# KiCad board breakout-sky-qfn.kicad_pcb
title: QFN Breakout For TinyTapeout Skywater ASICs; date: 2025-10-04; rev: 3.2; company: Psychogenic Technologies INC; note: (C) 2025 Pat Deegan
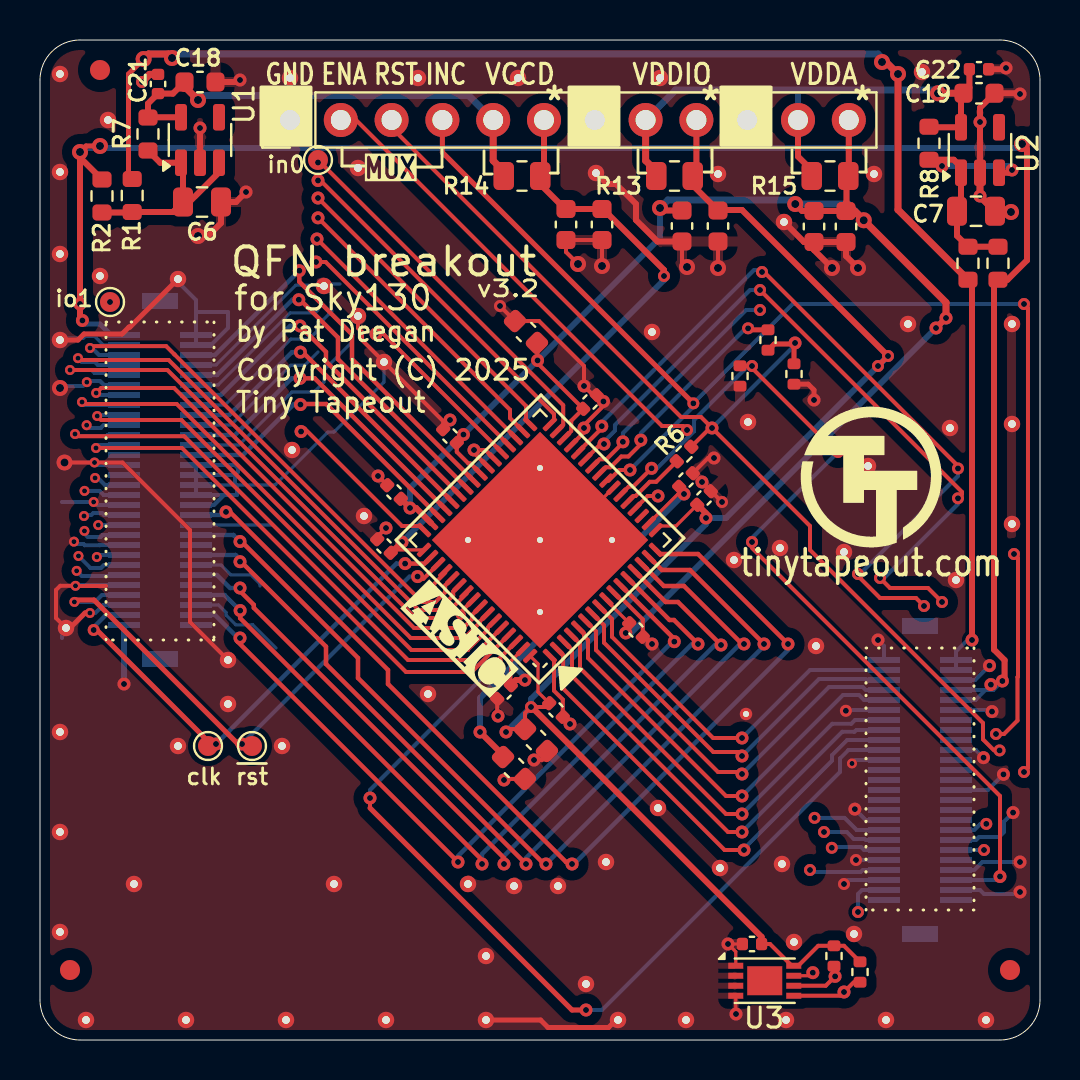
[diagram p0: board, top side]
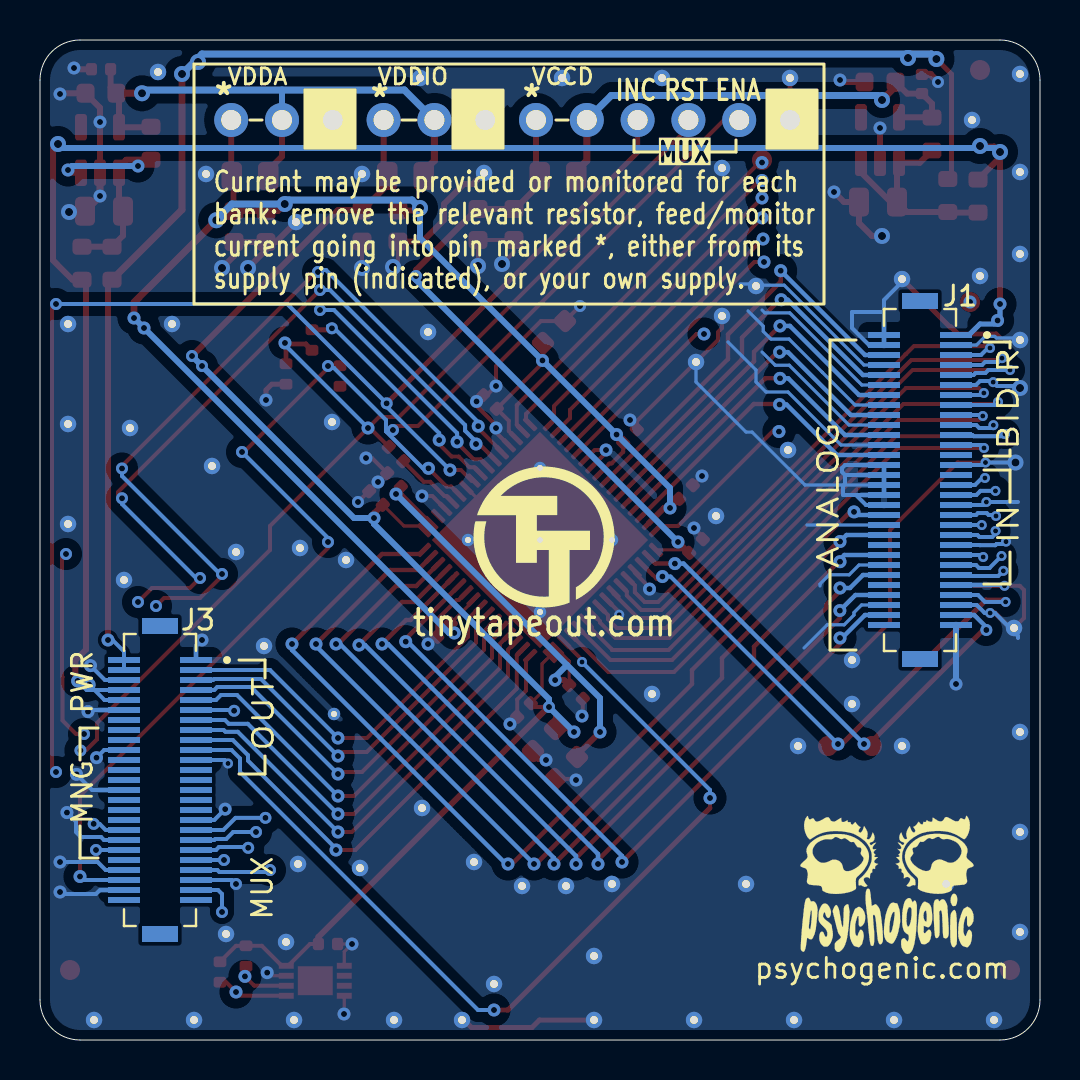
[diagram p1: board, bottom side, seen from below]

Outline 50 x 50 mm; copper layers: Top, In1.Cu (plane), In2.Cu, Bottom. Coordinates in mm from the lower left corner of the outline.
Outline path: 0,48 arc(0.59,49.41) 2,50 48,50 arc(49.41,49.41) 50,48 50,2 arc(49.41,0.59) 48,0 2,0 arc(0.59,0.59) 0,2 0,48
Stack: Top 0.035mm / dielectric 0.1855mm FR4-7628 er 4.74 / In1.Cu 0.035mm / dielectric 1.03mm FR4 er 4.6 / In2.Cu 0.035mm / dielectric 0.1855mm FR4-7628 er 4.74 / Bottom 0.035mm

## Placement (name value [footprint] x y rotation side)
ASCGND01  -  [StitchingVia-0.3mm]  25 28.6 0 top
ASCGND01#2  -  [StitchingVia-0.3mm]  25 25 0 top
ASCGND01#3  -  [StitchingVia-0.3mm]  25 21.4 0 top
ASCGND01#4  -  [StitchingVia-0.3mm]  21.4 25 0 top
ASCGND01#5  -  [StitchingVia-0.3mm]  28.6 25 0 top
C1  1uF  [C_0603_1608Metric]  28.1 40.78 270 top
C2  1uF  [C_0603_1608Metric]  24.8 15 315 top
C3  1uF  [C_0603_1608Metric]  26.3 40.78 270 top
C4  1uF  [C_0603_1608Metric]  33.9 40.7 270 top
C5  1uF  [C_0603_1608Metric]  23.7 13.6 315 top
C6  10uF  [C_0805_2012Metric]  8.1 41.9 0 top
C7  10uF  [C_0805_2012Metric]  46.8 41.44 0 top
C8  1uF  [C_0603_1608Metric]  24.3 35.4 135 top
C9  100nF  [C_0402_1005Metric]  27.5 31.9 225 top
C10  1uF  [C_0603_1608Metric]  32.1 40.7 270 top
C11  100nF  [C_0402_1005Metric]  17.7 27.4 315 top
C12  1uF  [C_0603_1608Metric]  40.3 40.68 270 top
C13  100nF  [C_0402_1005Metric]  20.5 30.2 315 top
C14  1uF  [C_0603_1608Metric]  38.7 40.68 270 top
C15  100nF  [C_0402_1005Metric]  29.8 20.5 315 top
C16  100nF  [C_0402_1005Metric]  33.2 27.1 45 top
C17  100nF  [C_0402_1005Metric]  25.8 16.5 135 top
C18  1uF  [C_0603_1608Metric]  8 47.9 0 top
C19  1uF  [C_0603_1608Metric]  46.95 47.34 0 top
C20  100nF  [C_0402_1005Metric]  32.3 28 225 top
C21  100nF  [C_0402_1005Metric]  5.9 47.8 90 top
C22  100nF  [C_0402_1005Metric]  46.95 48.54 0 top
C23  100nF  [C_0402_1005Metric]  17.2 24.7 135 top
C24  100nF  [C_0402_1005Metric]  23.2 17.4 45 top
C25  100nF  [C_0402_1005Metric]  35.6 4.8 0 top
FID1  Fiducial  [Fiducial_1mm_Mask2mm]  1.5 3.5 0 top  (not fitted)
FID2  Fiducial  [Fiducial_1mm_Mask2mm]  48.5 3.5 0 top  (not fitted)
FID3  Fiducial  [Fiducial_1mm_Mask2mm]  3 48.5 0 top  (not fitted)
J1  DF12NB-60DS-0.5V_51  [HRS_DF12NB-60DS-0.5V_51]  6 28 90 bottom
J2  Conn_01x12  [PinHeader_1x12_P2.54mm_Vertical]  12.5 46 90 top  (not fitted)
J3  DF12NB-50DS-0.5V_51  [HRS_DF12NB-50DS-0.5V_51]  44 13 90 bottom
PSYLOGOB  PSYLOGO  [PsychoLogoSmall]  7.7 7.8 180 bottom
R1  0  [R_0603_1608Metric]  4.61 42.23 270 top  (not fitted)
R2  0  [R_0603_1608Metric]  3.1 42.2 270 top
R3  0  [R_0603_1608Metric]  46.4 38.84 90 top  (not fitted)
R4  0  [R_0603_1608Metric]  47.9 38.84 90 top
R5  0R  [R_0402_1005Metric]  36.4 35 90 top
R6  0R  [R_0402_1005Metric]  32.2 29.3 225 top  (not fitted)
R7  0  [R_0603_1608Metric]  5.4 45.3 90 top  (not fitted)
R8  0  [R_0603_1608Metric]  44.45 44.84 90 top
R9  1k  [R_0402_1005Metric]  35 33.2 270 top
R10  1k  [R_0402_1005Metric]  37.7 33.3 270 top
R11  2k  [R_0402_1005Metric]  41 3.4 270 top  (not fitted)
R12  2k  [R_0402_1005Metric]  39.7 4.2 270 top  (not fitted)
R13  0  [R_0805_2012Metric]  31.73 43.2 0 top
R14  0  [R_0805_2012Metric]  24.1 43.2 0 top
R15  0  [R_0805_2012Metric]  39.5 43.2 0 top
STICHM01  -  [StitchingVia-0.3mm]  35.3 16.3 0 top
STITCH01  -  [StitchingVia-0.4mmDrill]  41.7 43.3 0 top
STITCH01#2  -  [StitchingVia-0.4mmDrill]  6.9 14.7 0 top
STITCH01#3  -  [StitchingVia-0.4mmDrill]  28.3 8.9 0 top
STITCH01#4  -  [StitchingVia-0.4mmDrill]  37.7 4.9 0 top
STITCH01#5  -  [StitchingVia-0.4mmDrill]  23.9 48.1 0 top
STITCH01#6  -  [StitchingVia-0.4mmDrill]  25.9 7.7 0 top
STITCH01#7  -  [StitchingVia-0.4mmDrill]  1 43.4 0 top
STITCH01#8  -  [StitchingVia-0.4mmDrill]  17.2 33.9 0 top
STITCH01#9  -  [StitchingVia-0.4mmDrill]  15.9 36.2 0 top
STITCH01#10  -  [StitchingVia-0.4mmDrill]  22.3 4.2 0 top
STITCH01#11  -  [StitchingVia-0.4mmDrill]  37.2 40.9 0 top
STITCH01#12  -  [StitchingVia-0.4mmDrill]  37 24.6 0 top
STITCH01#13  -  [StitchingVia-0.4mmDrill]  31 48.1 0 top
STITCH01#14  -  [StitchingVia-0.4mmDrill]  14.2 37.7 0 top
STITCH01#15  -  [StitchingVia-0.4mmDrill]  18.9 48.1 0 top
STITCH01#16  -  [StitchingVia-0.4mmDrill]  37.1 8.8 0 top
STITCH01#17  -  [StitchingVia-0.4mmDrill]  12.5 48.1 0 top
STITCH01#18  -  [StitchingVia-0.4mmDrill]  35.4 30.9 0 top
STITCH01#19  -  [StitchingVia-0.4mmDrill]  1 39.3 0 top
STITCH01#20  -  [StitchingVia-0.4mmDrill]  27.3 2.8 0 top
STITCH01#21  -  [StitchingVia-0.4mmDrill]  9.4 16.8 0 top
STITCH01#22  -  [StitchingVia-0.4mmDrill]  45.5 30.6 0 top
STITCH01#23  -  [StitchingVia-0.4mmDrill]  2.3 1 0 top
STITCH01#24  -  [StitchingVia-0.4mmDrill]  27.8 43.35 0 top
STITCH01#25  -  [StitchingVia-0.4mmDrill]  33.9 43.3 0 top
STITCH01#26  -  [StitchingVia-0.4mmDrill]  21.4 7.8 0 top
STITCH01#27  -  [StitchingVia-0.4mmDrill]  30.6 35.4 0 top
STITCH01#28  -  [StitchingVia-0.4mmDrill]  1 5.4 0 top
STITCH01#29  -  [StitchingVia-0.4mmDrill]  30.9 11.6 0 top
STITCH01#30  -  [StitchingVia-0.4mmDrill]  38.8 19.7 0 top
STITCH01#31  -  [StitchingVia-0.4mmDrill]  19.4 17.3 0 top
STITCH01#32  -  [StitchingVia-0.4mmDrill]  45.8 23 0 top
STITCH01#33  -  [StitchingVia-0.4mmDrill]  34 8.6 0 top
STITCH01#34  -  [StitchingVia-0.4mmDrill]  40.7 5.3 0 top
STITCH01#35  -  [StitchingVia-0.4mmDrill]  1 48.3 0 top
STITCH01#36  -  [StitchingVia-0.4mmDrill]  43.4 35.8 0 top
STITCH01#37  -  [StitchingVia-0.4mmDrill]  16.2 26.2 0 top
STITCH01#38  -  [StitchingVia-0.4mmDrill]  40.2 24.4 0 top
STITCH01#39  -  [StitchingVia-0.4mmDrill]  12.1 14.7 0 top
STITCH01#40  -  [StitchingVia-0.4mmDrill]  44.1 48.4 0 top
STITCH01#41  -  [StitchingVia-0.4mmDrill]  9.4 19 0 top
STITCH01#42  -  [StitchingVia-0.4mmDrill]  41.4 28.7 0 top
STITCH01#43  -  [StitchingVia-0.4mmDrill]  23.7 7.7 0 top
STITCH01#44  -  [StitchingVia-0.4mmDrill]  1.3 20.6 0 top
STITCH01#45  -  [StitchingVia-0.4mmDrill]  34.7 24 0 top
STITCH01#46  -  [StitchingVia-0.4mmDrill]  12.6 29.5 0 top
STITCH01#47  -  [StitchingVia-0.4mmDrill]  15.9 43.6 0 top
STITCH01#48  -  [StitchingVia-0.4mmDrill]  1 35 0 top
STITCH2  -  [StitchingVia-0.4mmDrill]  7.3 1 0 top
STITCH3  -  [StitchingVia-0.4mmDrill]  12.3 1 0 top
STITCH4  -  [StitchingVia-0.4mmDrill]  17.3 1 0 top
STITCH5  -  [StitchingVia-0.4mmDrill]  22.3 1 0 top
STITCH6  -  [StitchingVia-0.4mmDrill]  28.9 1 0 top
STITCH7  -  [StitchingVia-0.4mmDrill]  32.3 1 0 top
STITCH8  -  [StitchingVia-0.4mmDrill]  37.3 1 0 top
STITCH9  -  [StitchingVia-0.4mmDrill]  42.3 1 0 top
STITCH10  -  [StitchingVia-0.4mmDrill]  47.3 1 0 top
STITCH11  -  [StitchingVia-0.4mmDrill]  1 10.4 0 top
STITCH12  -  [StitchingVia-0.4mmDrill]  1 15.4 0 top
STITCH13  -  [StitchingVia-0.4mmDrill]  48.6 35.8 0 top
STITCH14  -  [StitchingVia-0.4mmDrill]  48.6 30.8 0 top
STITCH15  -  [StitchingVia-0.4mmDrill]  48.6 25.8 0 top
STITCH16  -  [StitchingVia-0.4mmDrill]  14.7 7.8 0 top
STITCH16#2  -  [StitchingVia-0.4mmDrill]  4.7 7.8 0 top
STITCH16#3  -  [StitchingVia-0.4mmDrill]  6.9 38.05 0 top
STITCH16#4  -  [StitchingVia-0.4mmDrill]  3.4 46 0 top
STITCH16#5  -  [StitchingVia-0.4mmDrill]  3 38.2 0 top
TP1  TestPoint  [TestPoint_Pad_D1.0mm]  10.6 14.7 0 top
TP2  TestPoint  [TestPoint_Pad_D1.0mm]  8.4 14.7 0 top
TP3  TestPoint  [TestPoint_Pad_D1.0mm]  3.5 36.9 0 top
TP4  TestPoint  [TestPoint_Pad_D1.0mm]  13.9 44 0 top
TTLOGO1  -  [TT_logo]  41.6 28.1 0 top
TTLOGO1#2  -  [TT_logo]  24.76 25.1 180 bottom
U1  AP2112K-1.8  [SOT-23-5]  8 45 90 top
U2  AP2112K-1.8  [SOT-23-5]  47 44.5 90 top  (not fitted)
U3  24LC02  [DFN-8-1EP_3x2mm_P0.5mm_EP1.75x1.45mm]  36.24 2.96 0 top  (not fitted)
U4  Openframe_QFN_TT06_REV2  [QFN-64-1EP_9x9mm_P0.5mm_EP7.65x7.65mm]  25 25 135 top

## Library data of the parts
C1-C5 C8 C10 C12 C14 = -: Description: Unpolarized capacitor; MPN: GRT188R61H105KE13D; DigikeyPN: 490-12330-1-ND; Display Value: 1u; Characteristics: 1u 10V XR 0603; LCSC: C5673; ki_fp_filters: C_*
C6 C7 = -: LCSC: C408142; MPN: GRM21BR71C106KE51L; MPN_ALT: LMK212AB7106MG-T; Characteristics: 10u 10V XR 0805; ki_fp_filters: C_*
C9 C11 C13 C15-C17 C20 C23-C25 = -: MPN: CL05A104KA5NNNC; MPN_ALT: GRM155R71E104KE14J; Characteristics: 100n 10% 25V XR 0402; LCSC: C100072; ki_fp_filters: C_*
C18 C19 = -: MPN: GRT188R61H105KE13D; MPN_ALT: C0603C105K4RAC7411; Characteristics: 1u 10V XR 0603; LCSC: C5673; ki_fp_filters: C_*
C21 C22 = -: LCSC: C100072; MPN: CL05A104KA5NNNC; Characteristics: 100n 10% 25V XR 0402; MPN_ALT: GRM155R71E104KE14J; ki_fp_filters: C_*
FID1-FID3 = -: Description: Fiducial Marker; ki_fp_filters: Fiducial*
J1 = -: Datasheet: https://www.hirose.com/product/download/?distributor=digikey&type=specSheet&lang=en&num=DF12NB(3.0)-10DS-0.5V(51); Description: 60 Position Connector Receptacle, Center Strip Contacts Surface Mount Gold; Characteristics: CONN RCPT 60POS SMD GOLD; MPN: DF12NB-60DS-0.5V(51); DigikeyPN: 26-DF12NB-60DS-0.5V(51)CT-ND; LCSC: C5137127
J2 = -: Description: Generic connector, single row, 01x12, script generated (kicad-library-utils/schlib/autogen/connector/); ki_fp_filters: Connector*:*_1x??_*
J3 = -: Datasheet: https://www.hirose.com/product/download/?distributor=digikey&type=specSheet&lang=en&num=DF12NB(5.0)-60DP-0.5V(51); Description: 50 Position Connector Receptacle, Center Strip Contacts Surface Mount Gold; Characteristics: CONN RCPT 50POS SMD GOLD; MPN: DF12NB-50DS-0.5V(51); DigikeyPN: 26-DF12NB-50DS-0.5V(51)CT-ND; LCSC: C2858672
R1 R3 R7 = -: Datasheet: https://www.te.com/usa-en/product-1623094-1.datasheet.pdf; Description: 0 Ohms Jumper Chip Resistor 0603 (1608 Metric) Thick Film; MPN: CRG0603ZR; Manufacturer: TE Connectivity Passive Product; Package / Case: 0603 (1608 Metric); Characteristics: RES SMD 0 OHM JUMPER 1/10W 0603; DigikeyPN: A106051CT-ND; ki_fp_filters: Resistor_SMD:R_0603_1608Metric
R2 R4 R8 = -: Datasheet: https://www.te.com/usa-en/product-1623094-1.datasheet.pdf; Description: 0 Ohms Jumper Chip Resistor 0603 (1608 Metric) Thick Film; MPN: CRG0603ZR; Manufacturer: TE Connectivity Passive Product; Package / Case: 0603 (1608 Metric); Characteristics: RES SMD 0 OHM JUMPER 1/10W 0603; DigikeyPN: A106051CT-ND; LCSC: C95177; ki_fp_filters: Resistor_SMD:R_0603_1608Metric
R5 R6 = -: Description: Resistor; Characteristics: 0R 0402; MPN: RC0402JR-070RL; MPN_ALT: WR04X000 PTL; DigikeyPN: 311-0.0JRCT-ND; LCSC: C60485; ki_fp_filters: R_*
R9 R10 = -: Description: Resistor; Characteristics: 1k 0402; MPN: CR0402-FX-1001GLF; LCSC: C11702; ki_fp_filters: R_*
R11 R12 = -: Datasheet: https://www.yageo.com/upload/media/product/products/datasheet/rchip/PYu-RC_Group_51_RoHS_L_12.pdf; Description: 2 kOhms ±1% 0.063W, 1/16W Chip Resistor 0402 (1005 Metric) Moisture Resistant Thick Film; MPN: RC0402FR-072KL; Manufacturer: YAGEO; Package / Case: 0402 (1005 Metric); Characteristics: RES 2K OHM 1% 1/16W 0402; DigikeyPN: 311-2KLRCT-ND; ki_fp_filters: Resistor_SMD:R_0402_1005Metric
R13-R15 = -: MPN: RC0805JR-100RL; Manufacturer: TE Connectivity Passive Product; Package / Case: 0603 (1608 Metric); Characteristics: RES SMD 0 OHM JUMPER 0805; DigikeyPN: 13-RC0805JR-100RLCT-ND; LCSC: C4143065; ki_fp_filters: Resistor_SMD:R_0603_1608Metric
TP1-TP4 = -: Description: test point; ki_fp_filters: Pin* Test*
U1 = -: Datasheet: https://www.diodes.com/assets/Datasheets/AP2112.pdf; MPN: AP2112K-1.8TRG1; DigikeyPN: AP2112K-1.8TRG1DICT-ND; Characteristics: VREG 1.8V SOT-25; LCSC: C176944; ki_fp_filters: SOT?23?5*
U2 = -: Datasheet: https://www.diodes.com/assets/Datasheets/AP2112.pdf; MPN: AP2112K-1.8TRG1; DigikeyPN: AP2112K-1.8TRG1DICT-ND; Characteristics: VREG 1.7V SOT-25; LCSC: C176944; ki_fp_filters: SOT?23?5*
U3 = -: Datasheet: http://ww1.microchip.com/downloads/en/DeviceDoc/21709c.pdf; Description: I2C Serial EEPROM, 2Kb, DIP-8/SOIC-8/TSSOP-8/DFN-8; Characteristics: I2C eeprom DFN 3x2; MPN: 24LC02BT-I/MC; DigikeyPN: 24LC02BT-I/MCCT-ND; LCSC: C612280; ki_fp_filters: DIP*W7.62mm* SOIC*3.9x4.9mm* TSSOP*4.4x3mm*P0.65mm* DFN*3x2mm*P0.5mm*
U4 = -: Datasheet: https://github.com/TinyTapeout/tt-multiplexer/blob/tt06-staging/docs/INFO.md#pinout; Description: Openframe QFN packaging, with TinyTapeout 6+ pin mapping; Characteristics: ASIC IC; MPN: TT_ASIC; LCSC: TT_ASIC_CHIP

## Footprints (pads in the part's own frame, mm; a bottom-side part is the same pattern mirrored in y, then rotated)
C_0402_1005Metric
  rrect 0.56x0.62 smd: 1(-0.48,0) 2(0.48,0)
C_0603_1608Metric
  rrect 0.9x0.95 smd: 1(-0.775,0) 2(0.775,0)
C_0805_2012Metric
  rrect 1x1.45 smd: 1(-0.95,0) 2(0.95,0)
DFN-8-1EP_3x2mm_P0.5mm_EP1.75x1.45mm
  rect 0.71x0.58 smd: (-0.438,0.362) (-0.438,-0.362) (0.438,0.362) (0.438,-0.362)
  rect 0.75x0.3 smd: 1(-1.45,0.75) 2(-1.45,0.25) 3(-1.45,-0.25) 4(-1.45,-0.75) 5(1.45,-0.75) 6(1.45,-0.25) 7(1.45,0.25) 8(1.45,0.75)
  rect 1.75x1.45 smd: 9(0,0)
Fiducial_1mm_Mask2mm
  round 1 smd: (0,0)
HRS_DF12NB-50DS-0.5V_51
  rect 0.3x1.6 smd: 1(6,-1.8) 2(6,1.8) 3(5.5,-1.8) 4(5.5,1.8) 5(5,-1.8) 6(5,1.8) 7(4.5,-1.8) 8(4.5,1.8) 9(4,-1.8) 10(4,1.8) 11(3.5,-1.8) 12(3.5,1.8) 13(3,-1.8) 14(3,1.8) 15(2.5,-1.8) 16(2.5,1.8) 17(2,-1.8) 18(2,1.8) 19(1.5,-1.8) 20(1.5,1.8) 21(1,-1.8) 22(1,1.8) 23(0.5,-1.8) 24(0.5,1.8) 25(0,-1.8) 26(0,1.8) 27(-0.5,-1.8) 28(-0.5,1.8) 29(-1,-1.8) 30(-1,1.8) 31(-1.5,-1.8) 32(-1.5,1.8) 33(-2,-1.8) 34(-2,1.8) 35(-2.5,-1.8) 36(-2.5,1.8) 37(-3,-1.8) 38(-3,1.8) 39(-3.5,-1.8) 40(-3.5,1.8) 41(-4,-1.8) 42(-4,1.8) 43(-4.5,-1.8) 44(-4.5,1.8) 45(-5,-1.8) 46(-5,1.8) 47(-5.5,-1.8) 48(-5.5,1.8) 49(-6,-1.8) 50(-6,1.8)
  rect 0.8x1.8 smd: S1(7.7,0) S2(-7.7,0)
HRS_DF12NB-60DS-0.5V_51
  rect 0.3x1.6 smd: 1(7.25,-1.8) 2(7.25,1.8) 3(6.75,-1.8) 4(6.75,1.8) 5(6.25,-1.8) 6(6.25,1.8) 7(5.75,-1.8) 8(5.75,1.8) 9(5.25,-1.8) 10(5.25,1.8) 11(4.75,-1.8) 12(4.75,1.8) 13(4.25,-1.8) 14(4.25,1.8) 15(3.75,-1.8) 16(3.75,1.8) 17(3.25,-1.8) 18(3.25,1.8) 19(2.75,-1.8) 20(2.75,1.8) 21(2.25,-1.8) 22(2.25,1.8) 23(1.75,-1.8) 24(1.75,1.8) 25(1.25,-1.8) 26(1.25,1.8) 27(0.75,-1.8) 28(0.75,1.8) 29(0.25,-1.8) 30(0.25,1.8) 31(-0.25,-1.8) 32(-0.25,1.8) 33(-0.75,-1.8) 34(-0.75,1.8) 35(-1.25,-1.8) 36(-1.25,1.8) 37(-1.75,-1.8) 38(-1.75,1.8) 39(-2.25,-1.8) 40(-2.25,1.8) 41(-2.75,-1.8) 42(-2.75,1.8) 43(-3.25,-1.8) 44(-3.25,1.8) 45(-3.75,-1.8) 46(-3.75,1.8) 47(-4.25,-1.8) 48(-4.25,1.8) 49(-4.75,-1.8) 50(-4.75,1.8) 51(-5.25,-1.8) 52(-5.25,1.8) 53(-5.75,-1.8) 54(-5.75,1.8) 55(-6.25,-1.8) 56(-6.25,1.8) 57(-6.75,-1.8) 58(-6.75,1.8) 59(-7.25,-1.8) 60(-7.25,1.8)
  rect 0.8x1.8 smd: S1(8.95,0) S2(-8.95,0)
PinHeader_1x12_P2.54mm_Vertical
  rect 1.7x1.7 hole 1: 1(0,0)
  round 1.7 hole 1: 2(0,-2.54) 3(0,-5.08) 4(0,-7.62) 5(0,-10.16) 6(0,-12.7) 7(0,-15.24) 8(0,-17.78) 9(0,-20.32) 10(0,-22.86) 11(0,-25.4) 12(0,-27.94)
QFN-64-1EP_9x9mm_P0.5mm_EP7.65x7.65mm
  rrect 1.03x1.03 smd: (-3.2,3.2) (-3.2,1.92) (-3.2,0.64) (-3.2,-0.64) (-3.2,-1.92) (-3.2,-3.2) (-1.92,3.2) (-1.92,1.92) (-1.92,0.64) (-1.92,-0.64) (-1.92,-1.92) (-1.92,-3.2) (-0.64,3.2) (-0.64,1.92) (-0.64,0.64) (-0.64,-0.64) (-0.64,-1.92) (-0.64,-3.2) (0.64,3.2) (0.64,1.92) (0.64,0.64) (0.64,-0.64) (0.64,-1.92) (0.64,-3.2) (1.92,3.2) (1.92,1.92) (1.92,0.64) (1.92,-0.64) (1.92,-1.92) (1.92,-3.2) (3.2,3.2) (3.2,1.92) (3.2,0.64) (3.2,-0.64) (3.2,-1.92) (3.2,-3.2)
  rrect 0.85x0.25 smd: 1(-4.45,3.75) 2(-4.45,3.25) 3(-4.45,2.75) 4(-4.45,2.25) 5(-4.45,1.75) 6(-4.45,1.25) 7(-4.45,0.75) 8(-4.45,0.25) 9(-4.45,-0.25) 10(-4.45,-0.75) 11(-4.45,-1.25) 12(-4.45,-1.75) 13(-4.45,-2.25) 14(-4.45,-2.75) 15(-4.45,-3.25) 16(-4.45,-3.75) 33(4.45,-3.75) 34(4.45,-3.25) 35(4.45,-2.75) 36(4.45,-2.25) 37(4.45,-1.75) 38(4.45,-1.25) 39(4.45,-0.75) 40(4.45,-0.25) 41(4.45,0.25) 42(4.45,0.75) 43(4.45,1.25) 44(4.45,1.75) 45(4.45,2.25) 46(4.45,2.75) 47(4.45,3.25) 48(4.45,3.75)
  rrect 0.25x0.85 smd: 17(-3.75,-4.45) 18(-3.25,-4.45) 19(-2.75,-4.45) 20(-2.25,-4.45) 21(-1.75,-4.45) 22(-1.25,-4.45) 23(-0.75,-4.45) 24(-0.25,-4.45) 25(0.25,-4.45) 26(0.75,-4.45) 27(1.25,-4.45) 28(1.75,-4.45) 29(2.25,-4.45) 30(2.75,-4.45) 31(3.25,-4.45) 32(3.75,-4.45) 49(3.75,4.45) 50(3.25,4.45) 51(2.75,4.45) 52(2.25,4.45) 53(1.75,4.45) 54(1.25,4.45) 55(0.75,4.45) 56(0.25,4.45) 57(-0.25,4.45) 58(-0.75,4.45) 59(-1.25,4.45) 60(-1.75,4.45) 61(-2.25,4.45) 62(-2.75,4.45) 63(-3.25,4.45) 64(-3.75,4.45)
  rect 7.65x7.65 smd: 65(0,0)
R_0402_1005Metric
  rrect 0.54x0.64 smd: 1(-0.51,0) 2(0.51,0)
R_0603_1608Metric
  rrect 0.8x0.95 smd: 1(-0.825,0) 2(0.825,0)
R_0805_2012Metric
  rrect 1.025x1.4 smd: 1(-0.912,0) 2(0.912,0)
SOT-23-5
  rrect 1.325x0.6 smd: 1(-1.137,0.95) 2(-1.137,0) 3(-1.137,-0.95) 4(1.137,-0.95) 5(1.137,0.95)
StitchingVia-0.3mm
  round 0.62 hole 0.3: 1(0,0)
StitchingVia-0.4mmDrill
  round 0.82 hole 0.4: 1(0,0)
TestPoint_Pad_D1.0mm
  round 1 smd: 1(0,0)
